# Altium PCB CRD25DA12N-FMC V1.1 (07-2023).PcbDoc (part 2 of 7) (continued)
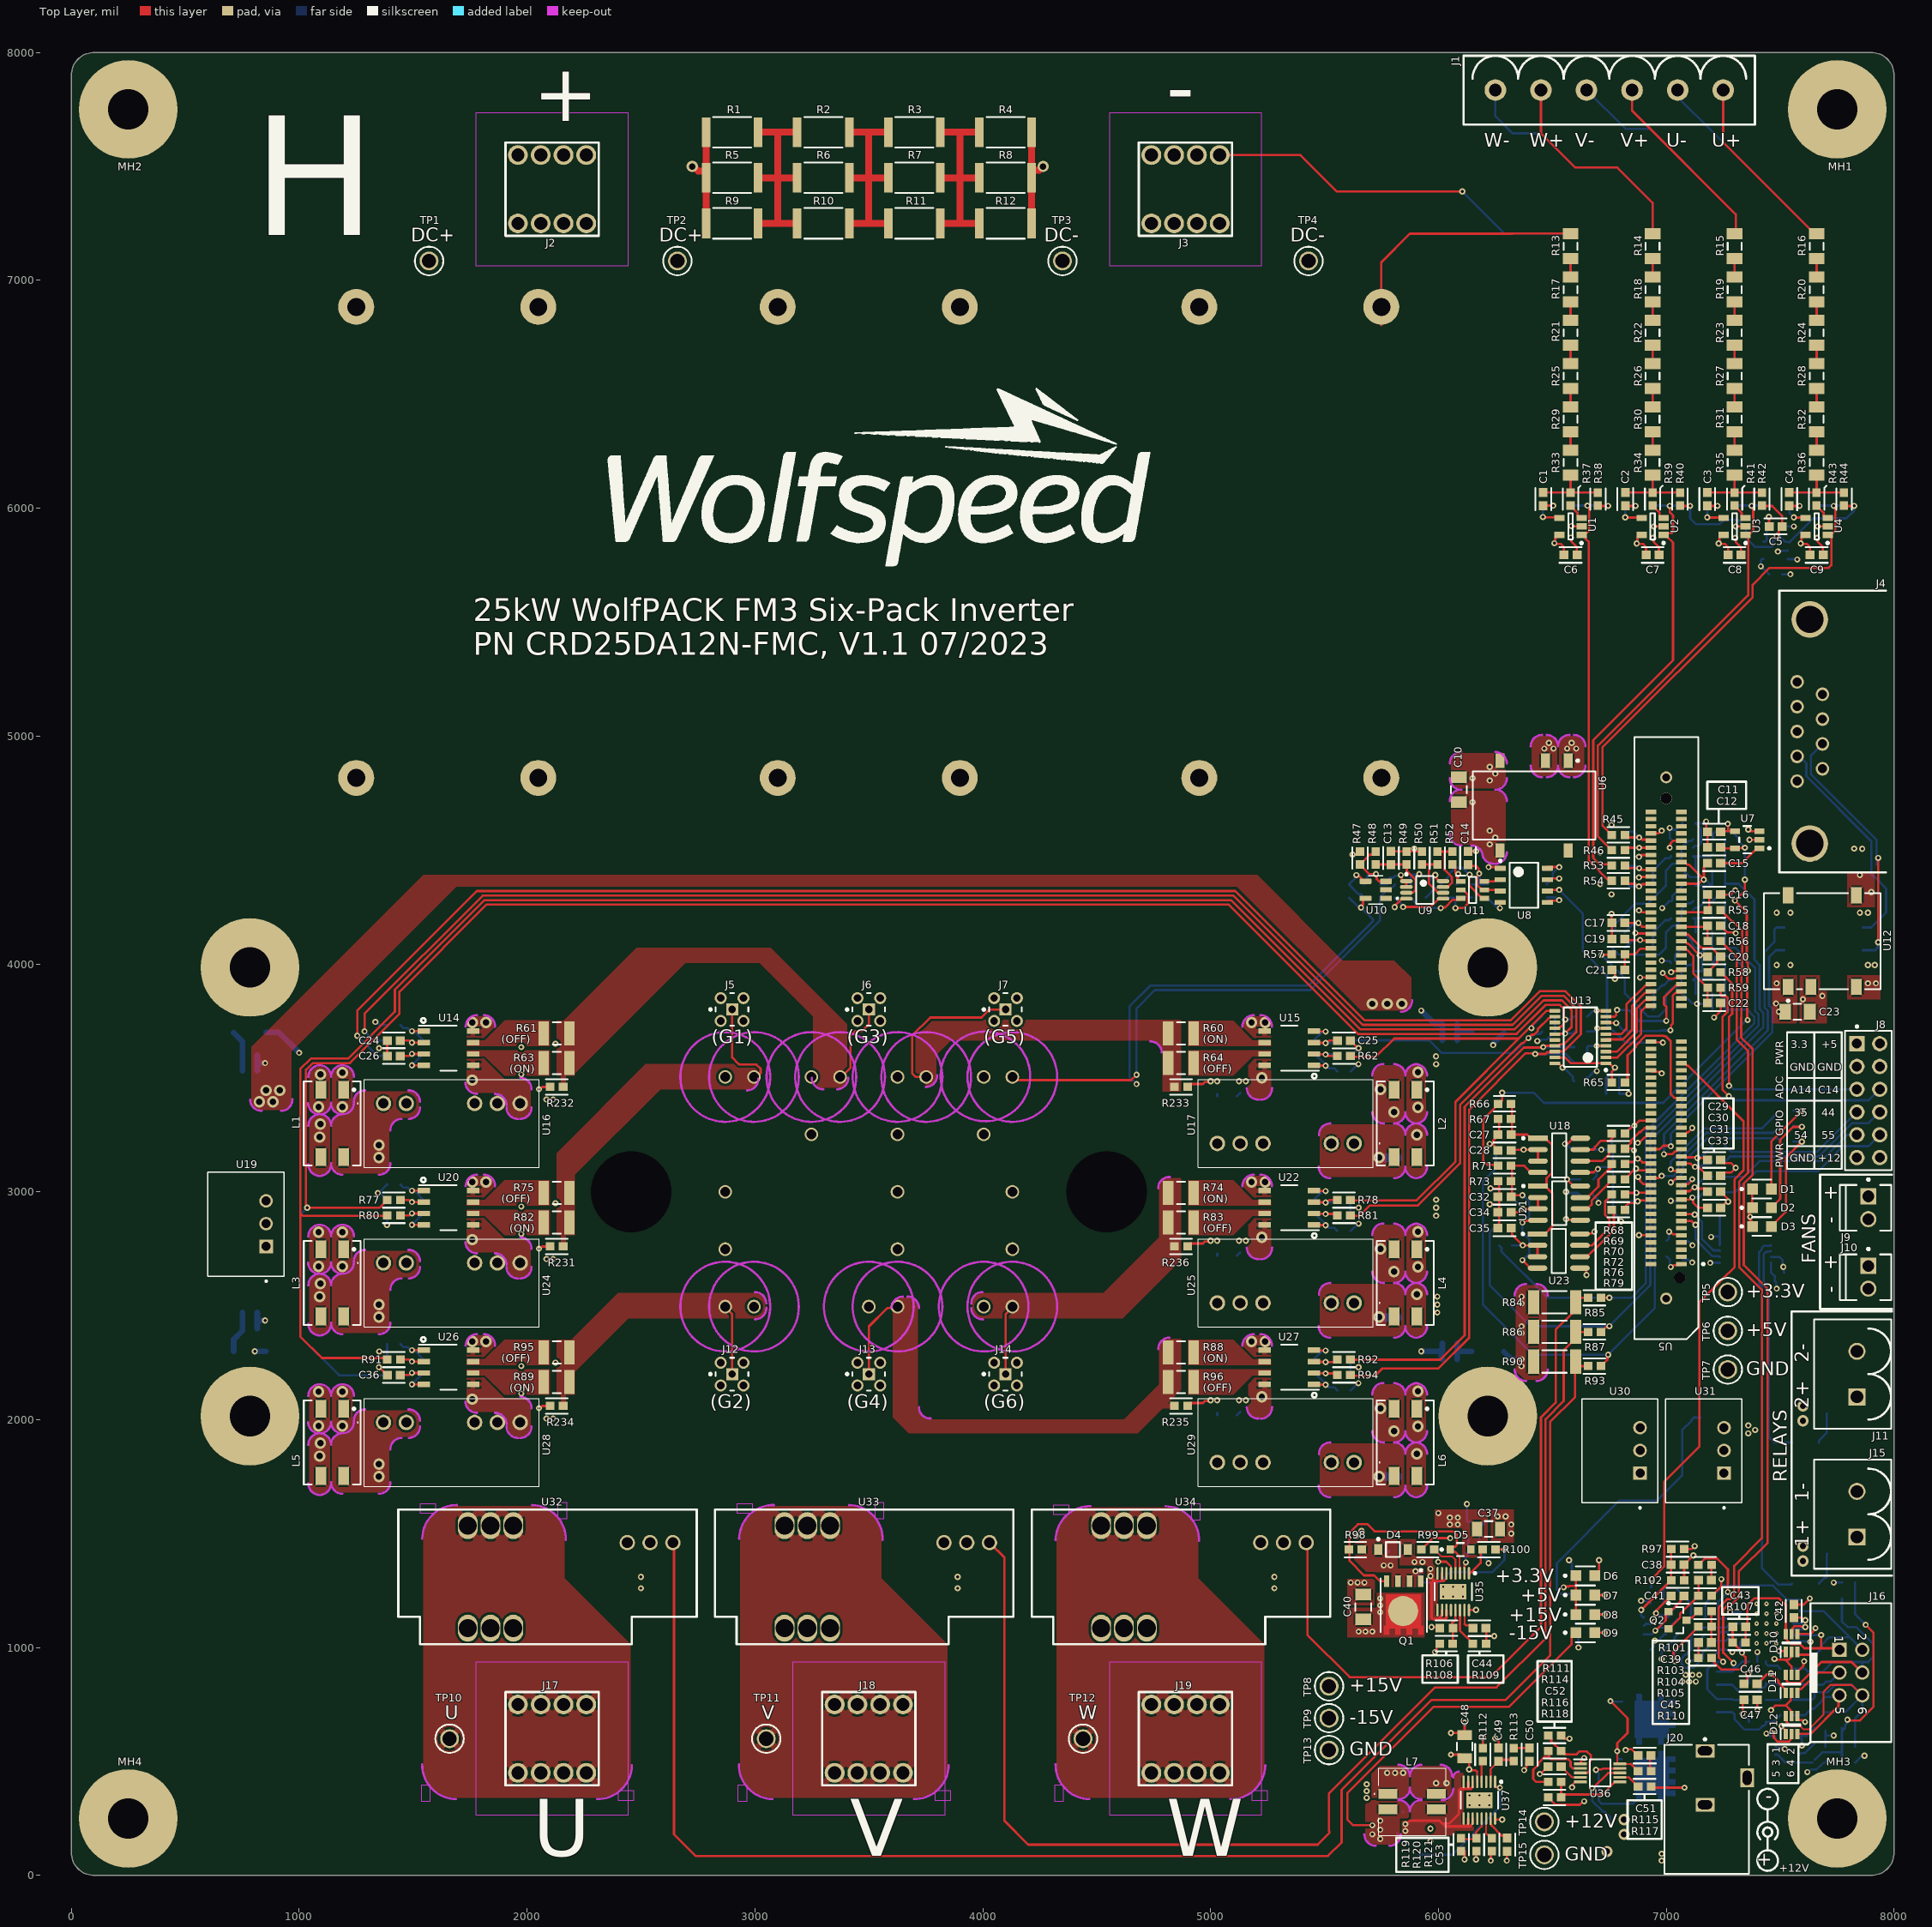
[diagram p0: Top Layer view]
## Part data (continued)
R98 R99 R112 R114 R117 R176 R177 R179 R180 R184 R187: "RES 100K OHM 1% 1/10W 0603", Case Code (Imperial)=0603, Case Code (Metric)=1608, Manufacturer=YAGEO, Max Operating Temperature=155°C, Max Power Dissipation=100mW, Min Operating Temperature=-55°C, Power Rating=0.1W, Resistance=100kΩ, Resistance Tolerance=1%, Resistor Type="Thick Film", Supplier Part Number 1=3697448, Temperature Coefficient=100ppm/°C, Voltage Rating=50V, Working Voltage=75V, Category="Chip SMD Resistors", ComponentLink1Description=https://datasheet.ciiva.com/11808/0900766b80f96399-11808107.pdf?src-supplier=Rs, ComponentLink1URL=https://datasheet.ciiva.com/11808/0900766b80f96399-11808107.pdf?src-supplier=Rs, ComponentLink2Description=https://datasheet.ciiva.com/7983/443971-7983593.pdf?src-supplier=Element14, ComponentLink2URL=https://datasheet.ciiva.com/7983/443971-7983593.pdf?src-supplier=Element14, ComponentLink3Description=https://datasheet.ciiva.com/22747/443971-22747516.pdf?src-supplier=Element14, ComponentLink3URL=https://datasheet.ciiva.com/22747/443971-22747516.pdf?src-supplier=Element14, ComponentLink4Description=https://datasheet.ciiva.com/46440/1868787-46440889.pdf?src-supplier=Element14, ComponentLink4URL=https://datasheet.ciiva.com/46440/1868787-46440889.pdf?src-supplier=Element14, ComponentLink5Description=https://datasheet.ciiva.com/7746/1738695-7746235.pdf?src-supplier=Element14, ComponentLink5URL=https://datasheet.ciiva.com/7746/1738695-7746235.pdf?src-supplier=Element14, ComponentLink6Description=https://datasheet.ciiva.com/7746/1738695-7746234.pdf?src-supplier=Element14, ComponentLink6URL=https://datasheet.ciiva.com/7746/1738695-7746234.pdf?src-supplier=Element14, Construction=Rectangular, Depth=0.8mm, Features="Moisture Resistant", Height=0.45mm, Lead Free="Lead Free", Length=1.6mm, Manufacturer Part Number=RC0603FR-07100KL, Military Standard=Not, Number of Pins=2, Number of Terminations=2, Package=0603, Packaging="Tape and Reel", Pricing 1="5000=0.00150, 50000=0.00140, 200000=0.00140, 625000=0.00130, 2000000=0.00120 (USD)", Reach SVHC Compliant=Yes, RoHS=Yes, RoHS Compliant=Yes, Series=RC, Stock 1=39805000, Supplier 1="Future Electronics", Technology="THICK FILM", Termination=SMD/SMT, TOLERANCE=1%, Voltage Rating (DC)=50V, Width=0.8mm
R100: "RES SMD 165K OHM 1% 1/10W 0603", Case Code (Imperial)=0603, Case Code (Metric)=1608, Manufacturer=PANASONIC, Max Operating Temperature=155°C, Max Power Dissipation=100mW, Min Operating Temperature=-55°C, Package Quantity=1, Power Rating=0.1W, Resistance=165kΩ, Resistance Tolerance=1%, Resistor Type="Thick Film", Supplier Part Number 1=1058436, Temperature Coefficient=100ppm/°C, Voltage Rating=75V, Voltage Rating (DC)=50V, Category="Chip SMD Resistors", ComponentLink1Description=https://datasheet.ciiva.com/7853/aoa0000ce2-7853706.pdf?src-supplier=Element14, ComponentLink1URL=https://datasheet.ciiva.com/7853/aoa0000ce2-7853706.pdf?src-supplier=Element14, ComponentLink2Description=https://datasheet.ciiva.com/22673/1678782-22673385.pdf?src-supplier=Element14, ComponentLink2URL=https://datasheet.ciiva.com/22673/1678782-22673385.pdf?src-supplier=Element14, ComponentLink3Description=https://datasheet.ciiva.com/28531/1694929-28531446.pdf?src-supplier=Element14, ComponentLink3URL=https://datasheet.ciiva.com/28531/1694929-28531446.pdf?src-supplier=Element14, ComponentLink4Description=https://datasheet.ciiva.com/46420/1678782-46420206.pdf?src-supplier=Element14, ComponentLink4URL=https://datasheet.ciiva.com/46420/1678782-46420206.pdf?src-supplier=Element14, ComponentLink5Description=https://datasheet.ciiva.com/16785/70260748-16785381.pdf?src-supplier=Allied+Electronics, ComponentLink5URL=https://datasheet.ciiva.com/16785/70260748-16785381.pdf?src-supplier=Allied+Electronics, ComponentLink6Description=https://datasheet.ciiva.com/15158/getdatasheetpartid-248552-15158986.pdf?src-supplier=Verical, ComponentLink6URL=https://datasheet.ciiva.com/15158/getdatasheetpartid-248552-15158986.pdf?src-supplier=Verical, Construction=Rectangular, Contact Plating=Tin, Depth=0.8mm, Features="Automotive AEC-Q200", Height=0.022inch, Lead Free="Lead Free", Length=1.6mm, Manufacturer Part Number=ERJ-3EKF1653V, Military Standard=Not, Mount="Surface Mount", Number of Terminations=2, Package=0603, Packaging="Tape and Reel", Pricing 1="5000=0.00600 (USD)", Radiation Hardening=No, Reach SVHC Compliant=Yes, RoHS=Yes, RoHS Compliant=Yes, Series=ERJ, Stock 1=1, Supplier 1=Rs, Termination=SMD/SMT, TOLERANCE=1%, Width=0.8mm
R101 R110: "RES 120K OHM 1% 1/10W 0603", Case Code (Imperial)=0603, Case Code (Metric)=1608, Manufacturer=YAGEO, Max Operating Temperature=155°C, Max Power Dissipation=0.1W, Min Operating Temperature=-55°C, Package Quantity=5000, Power Rating=100mW, Resistance=120kΩ, Resistance Tolerance=1%, Resistor Type="Thick Film", Supplier Part Number 1=5577309, Temperature Coefficient=100ppm/°C, Voltage Rating=50V, Working Voltage=75V, Category="Chip SMD Resistors", ComponentLink1Description=https://datasheet.ciiva.com/11808/0900766b80f96399-11808757.pdf?src-supplier=Rs, ComponentLink1URL=https://datasheet.ciiva.com/11808/0900766b80f96399-11808757.pdf?src-supplier=Rs, ComponentLink2Description=https://datasheet.ciiva.com/2454/pyu-r-int-thick-7-2454739.pdf?src-supplier=Digi-Key, ComponentLink2URL=https://datasheet.ciiva.com/2454/pyu-r-int-thick-7-2454739.pdf?src-supplier=Digi-Key, ComponentLink3Description=https://datasheet.ciiva.com/2454/pyu-r-int-thick-7-2454740.pdf?src-supplier=Digi-Key, ComponentLink3URL=https://datasheet.ciiva.com/2454/pyu-r-int-thick-7-2454740.pdf?src-supplier=Digi-Key, ComponentLink4Description=https://datasheet.ciiva.com/2454/pyu-r-int-thick-7-2454738.pdf?src-supplier=Digi-Key, ComponentLink4URL=https://datasheet.ciiva.com/2454/pyu-r-int-thick-7-2454738.pdf?src-supplier=Digi-Key, ComponentLink5Description=https://datasheet.ciiva.com/7746/443971-7746247.pdf?src-supplier=Element14, ComponentLink5URL=https://datasheet.ciiva.com/7746/443971-7746247.pdf?src-supplier=Element14, ComponentLink6Description=https://datasheet.ciiva.com/7746/443971-7746246.pdf?src-supplier=Element14, ComponentLink6URL=https://datasheet.ciiva.com/7746/443971-7746246.pdf?src-supplier=Element14, Depth=0.8mm, Features="Moisture Resistant", Height=0.022inch, Lead Free="Lead Free", Length=0.063inch, Manufacturer Part Number=RC0603FR-07120KL, Number of Pins=2, Number of Terminations=2, Package=0603, Packaging="Tape and Reel", Pricing 1="5000=0.00150, 75000=0.00140, 200000=0.00140, 750000=0.00130, 2000000=0.00120 (USD)", RoHS=Yes, RoHS Compliant=Yes, Series=RC, Stock 1=4140000, Supplier 1="Future Electronics", Technology="THICK FILM", Termination=SMD/SMT, TOLERANCE=1%, Voltage Rating (DC)=50V, Width=0.031inch
R104: "RES 20 OHM 5% 1/10W 0603", Case Code (Imperial)=0603, Case Code (Metric)=1608, Manufacturer=YAGEO, Max Operating Temperature=155°C, Max Power Dissipation=100mW, Min Operating Temperature=-55°C, Package Quantity=1, Power Rating=0.1W, Resistance=20Ω, Resistance Tolerance=5%, Resistor Type="Thick Film", Supplier Part Number 1=4144481, Temperature Coefficient=100ppm/°C, Voltage Rating=75V, Voltage Rating (DC)=50V, Category="Chip SMD Resistors", ComponentLink1Description=https://datasheet.ciiva.com/2453/pyu-r-int-thick-7-2453212.pdf?src-supplier=Digi-Key, ComponentLink1URL=https://datasheet.ciiva.com/2453/pyu-r-int-thick-7-2453212.pdf?src-supplier=Digi-Key, ComponentLink2Description=https://datasheet.ciiva.com/2453/pyu-r-int-thick-7-2453213.pdf?src-supplier=Digi-Key, ComponentLink2URL=https://datasheet.ciiva.com/2453/pyu-r-int-thick-7-2453213.pdf?src-supplier=Digi-Key, ComponentLink3Description=https://datasheet.ciiva.com/2453/pyu-r-int-thick-7-2453211.pdf?src-supplier=Digi-Key, ComponentLink3URL=https://datasheet.ciiva.com/2453/pyu-r-int-thick-7-2453211.pdf?src-supplier=Digi-Key, Construction=Rectangular, Depth=0.8mm, Features="Moisture Resistant", Height=0.022inch, Lead Free="Lead Free", Length=0.063inch, Manufacturer Part Number=RC0603JR-0720RL, Military Standard=Not, Number of Terminations=2, Package=0603, Packaging="Tape and Reel", Pricing 1="5000=0.00110, 75000=0.00100, 250000=0.00100, 750000=0.00090, 2500000=0.00080 (USD)", RoHS=Yes, RoHS Compliant=Yes, Series=RC, Size Code=0603, Stock 1=490000, Supplier 1="Future Electronics", Termination=SMD/SMT, TOLERANCE=5%, Weight=7.1E-05oz, Width=0.031inch
R107 R211: "RES 470K OHM 1% 1/10W 0603", Case Code (Imperial)=0603, Case Code (Metric)=1608, Manufacturer=YAGEO, Max Operating Temperature=155°C, Max Power Dissipation=100mW, Min Operating Temperature=-55°C, Package Quantity=1, Power Rating=0.1W, Resistance=470kΩ, Resistance Tolerance=1%, Resistor Type="Thick Film", Supplier Part Number 1=4599155, Temperature Coefficient=100ppm/°C, Voltage Rating=50V, Category="Chip SMD Resistors", ComponentLink1Description=https://datasheet.ciiva.com/46440/1868787-46440906.pdf?src-supplier=Element14, ComponentLink1URL=https://datasheet.ciiva.com/46440/1868787-46440906.pdf?src-supplier=Element14, ComponentLink2Description=https://datasheet.ciiva.com/2454/pyu-r-int-thick-7-2454121.pdf?src-supplier=Digi-Key, ComponentLink2URL=https://datasheet.ciiva.com/2454/pyu-r-int-thick-7-2454121.pdf?src-supplier=Digi-Key, ComponentLink3Description=https://datasheet.ciiva.com/2454/pyu-r-int-thick-7-2454122.pdf?src-supplier=Digi-Key, ComponentLink3URL=https://datasheet.ciiva.com/2454/pyu-r-int-thick-7-2454122.pdf?src-supplier=Digi-Key, ComponentLink4Description=https://datasheet.ciiva.com/2454/pyu-r-int-thick-7-2454120.pdf?src-supplier=Digi-Key, ComponentLink4URL=https://datasheet.ciiva.com/2454/pyu-r-int-thick-7-2454120.pdf?src-supplier=Digi-Key, ComponentLink5Description=https://datasheet.ciiva.com/7746/443971-7746358.pdf?src-supplier=Element14, ComponentLink5URL=https://datasheet.ciiva.com/7746/443971-7746358.pdf?src-supplier=Element14, ComponentLink6Description=https://datasheet.ciiva.com/7746/443971-7746357.pdf?src-supplier=Element14, ComponentLink6URL=https://datasheet.ciiva.com/7746/443971-7746357.pdf?src-supplier=Element14, Construction=Rectangular, Depth=0.8mm, Features="Moisture Resistant", Height=0.022inch, Lead Free="Lead Free", Length=0.063inch, Manufacturer Part Number=RC0603FR-07470KL, Military Standard=Not, Number of Pins=2, Number of Terminations=2, Package=0603, Packaging="Tape and Reel", Pricing 1="5000=0.00150, 50000=0.00140, 200000=0.00140, 625000=0.00130, 2000000=0.00120 (USD)", Reach SVHC Compliant=Yes, RoHS=Yes, RoHS Compliant=Yes, Series=RC, Size Code=0603, Stock 1=8340000, Supplier 1="Future Electronics", Termination=SMD/SMT, TOLERANCE=1%, Voltage Rating (DC)=50V, Width=0.031inch
R108 R119: "RES 56K OHM 1% 1/10W 0603", Case Code (Imperial)=0603, Case Code (Metric)=1608, Manufacturer=YAGEO, Max Operating Temperature=155°C, Max Power Dissipation=100mW, Min Operating Temperature=-55°C, Package Quantity=1, Power Rating=0.1W, Resistance=56kΩ, Resistance Tolerance=1%, Resistor Type="Thick Film", Supplier Part Number 1=7874498, Temperature Coefficient=100ppm/°C, Voltage Rating=75V, Voltage Rating (DC)=50V, Category="Chip SMD Resistors", ComponentLink1Description=https://datasheet.ciiva.com/2508/pyu-r-int-thick-7-2508519.pdf?src-supplier=Digi-Key, ComponentLink1URL=https://datasheet.ciiva.com/2508/pyu-r-int-thick-7-2508519.pdf?src-supplier=Digi-Key, ComponentLink2Description=https://datasheet.ciiva.com/2508/pyu-r-int-thick-7-2508520.pdf?src-supplier=Digi-Key, ComponentLink2URL=https://datasheet.ciiva.com/2508/pyu-r-int-thick-7-2508520.pdf?src-supplier=Digi-Key, ComponentLink3Description=https://datasheet.ciiva.com/2508/pyu-r-int-thick-7-2508518.pdf?src-supplier=Digi-Key, ComponentLink3URL=https://datasheet.ciiva.com/2508/pyu-r-int-thick-7-2508518.pdf?src-supplier=Digi-Key, ComponentLink4Description=https://datasheet.ciiva.com/7746/443971-7746377.pdf?src-supplier=Element14, ComponentLink4URL=https://datasheet.ciiva.com/7746/443971-7746377.pdf?src-supplier=Element14, ComponentLink5Description=https://datasheet.ciiva.com/7746/443971-7746376.pdf?src-supplier=Element14, ComponentLink5URL=https://datasheet.ciiva.com/7746/443971-7746376.pdf?src-supplier=Element14, Construction=Rectangular, Depth=0.8mm, Features="Moisture Resistant", Height=0.45mm, Lead Free="Lead Free", Length=1.6mm, Manufacturer Part Number=RC0603FR-0756KL, Military Standard=Not, Number of Pins=2, Number of Terminations=2, Package=0603, Packaging="Tape and Reel", Pricing 1="5000=0.00150, 50000=0.00140, 200000=0.00140, 625000=0.00130, 2000000=0.00120 (USD)", RoHS=Yes, RoHS Compliant=Yes, Series=RC, Size Code=0603, Stock 1=11945000, Supplier 1="Future Electronics", Termination=SMD/SMT, TOLERANCE=1%, Weight=7.1E-05oz, Width=0.8mm
R109 R121: "RES 45.3K OHM 1% 1/10W 0603", Case Code (Imperial)=0603, Case Code (Metric)=1608, Manufacturer=STACKPOLE, Max Operating Temperature=155°C, Max Power Dissipation=0.1W, Min Operating Temperature=-55°C, Resistance=45.3kΩ, Resistor Type="Thick Film", Temperature Coefficient=100ppm/°C, TOLERANCE=1%, Contact Plating=Tin, Features="Automotive AEC-Q200", Height=0.022inch, Lead Free="Contains Lead", Length=0.061inch, Manufacturer Part Number=RMCF0603FT45K3, Mount="Surface Mount", Number of Terminations=2, Package=0603, Packaging="Tape and Reel", Radiation Hardening=No, RoHS Compliant=Yes, Series=RMCF, Width=0.031inch
R111: "RES SMD 200K OHM 1% 1/10W 0603", Case Code (Imperial)=0603, Case Code (Metric)=1608, Manufacturer=PANASONIC, Max Operating Temperature=155°C, Max Power Dissipation=0.1W, Min Operating Temperature=-55°C, Package Quantity=1, Power Rating=100mW, Resistance=200kΩ, Resistance Tolerance=1%, Resistor Type="Thick Film", Supplier Part Number 1=25AC9147, Temperature Coefficient=100ppm/°C, Voltage Rating=75V, Voltage Rating (DC)=50V, Category="Chip SMD Resistors", ComponentLink1Description=https://datasheet.ciiva.com/46387/426256-46387278.pdf?src-supplier=Element14, ComponentLink1URL=https://datasheet.ciiva.com/46387/426256-46387278.pdf?src-supplier=Element14, ComponentLink2Description=https://datasheet.ciiva.com/5868/426256-5868137.pdf?src-supplier=Farnell, ComponentLink2URL=https://datasheet.ciiva.com/5868/426256-5868137.pdf?src-supplier=Farnell, ComponentLink3Description=https://datasheet.ciiva.com/46374/426256-46374238.pdf?src-supplier=Element14, ComponentLink3URL=https://datasheet.ciiva.com/46374/426256-46374238.pdf?src-supplier=Element14, ComponentLink4Description=https://datasheet.ciiva.com/24068/aoa0000ce2-24068783.pdf?src-supplier=Mouser, ComponentLink4URL=https://datasheet.ciiva.com/24068/aoa0000ce2-24068783.pdf?src-supplier=Mouser, ComponentLink5Description=https://datasheet.ciiva.com/16785/70260748-16785079.pdf?src-supplier=Allied+Electronics, ComponentLink5URL=https://datasheet.ciiva.com/16785/70260748-16785079.pdf?src-supplier=Allied+Electronics, ComponentLink6Description=https://datasheet.ciiva.com/16758/70260748-16758091.pdf?src-supplier=Allied+Electronics, ComponentLink6URL=https://datasheet.ciiva.com/16758/70260748-16758091.pdf?src-supplier=Allied+Electronics, ComponentLink7Description=https://datasheet.ciiva.com/16199/aoa0000ce2-16199899.pdf?src-supplier=Future+Electronics, ComponentLink7URL=https://datasheet.ciiva.com/16199/aoa0000ce2-16199899.pdf?src-supplier=Future+Electronics, ComponentLink8Description=https://datasheet.ciiva.com/30113/aoa0000ce2-30113838.pdf?src-supplier=Onlinecomponents.com, ComponentLink8URL=https://datasheet.ciiva.com/30113/aoa0000ce2-30113838.pdf?src-supplier=Onlinecomponents.com, Construction=Rectangular, Contact Plating=Tin, Depth=0.8mm, Features="Automotive AEC-Q200", Height=0.022inch, Lead Free="Lead Free", Length=1.6mm, Manufacturer Part Number=ERJ-3EKF2003V, Military Standard=Not, Mount="Surface Mount", Number of Terminations=2, Package=0603, Packaging="Cut Tape", Pricing 1="5000=0.00500, 10000=0.00500 (USD)", Radiation Hardening=No, Reach SVHC Compliant=Yes, RoHS=Yes, RoHS Compliant=Yes, Series=ERJ, Stock 1=195000, Supplier 1=Newark, Technology="THICK FILM", Termination=SMD/SMT, TOLERANCE=1%, Width=0.8mm, Working Voltage=75V
R115: library part CMP-2000-00337-2, "RES SMD 22K OHM 1% 1/10W 0603", Case Code (Imperial)=0603, Case Code (Metric)=1608, Manufacturer=PANASONIC, Max Operating Temperature="155 degC", Min Operating Temperature="-55 degC", Package Quantity=200, Power Rating=0.1W, Resistance=22kΩ, TOLERANCE=1%, Voltage Rating="50 V", ComponentLink1Description="Manufacturer URL", ComponentLink1URL=http://www.panasonic.com/, ComponentLink2Description=Datasheet, ComponentLink2URL=http://industrial.panasonic.com/cdbs/www-data/pdf/RDA0000/AOA0000C86.pdf, DatasheetVersion=Apr-15, Height="0.45 mm", Length="1.6 mm", Manufacturer Part Number=ERJ-3EKF2202V, Package=0603, PackageDescription="2-Pin Surface Mount Device, Body 1.6 x 0.85 mm", PackageReference=0603, Packaging="Tape and Reel", RoHSCompliant=true, Width="0.8 mm"
R116 R118: "RES 2.7M OHM 5% 1/10W 0603", Case Code (Imperial)=0603, Case Code (Metric)=1608, Manufacturer=YAGEO, Max Operating Temperature=155°C, Max Power Dissipation=100mW, Min Operating Temperature=-55°C, Package Quantity=1, Power Rating=0.1W, Resistance=2.7MΩ, Resistor Type="Thick Film", Temperature Coefficient=100ppm/°C, TOLERANCE=5%, Voltage Rating=75V, Voltage Rating (DC)=50V, Category="Chip SMD Resistors", ComponentLink1Description=https://datasheet.ciiva.com/2453/pyu-r-int-thick-7-2453209.pdf?src-supplier=Digi-Key, ComponentLink1URL=https://datasheet.ciiva.com/2453/pyu-r-int-thick-7-2453209.pdf?src-supplier=Digi-Key, ComponentLink2Description=https://datasheet.ciiva.com/2453/pyu-r-int-thick-7-2453210.pdf?src-supplier=Digi-Key, ComponentLink2URL=https://datasheet.ciiva.com/2453/pyu-r-int-thick-7-2453210.pdf?src-supplier=Digi-Key, ComponentLink3Description=https://datasheet.ciiva.com/2453/pyu-r-int-thick-7-2453208.pdf?src-supplier=Digi-Key, ComponentLink3URL=https://datasheet.ciiva.com/2453/pyu-r-int-thick-7-2453208.pdf?src-supplier=Digi-Key, Construction=Rectangular, Contact Plating=Tin,Matte, Depth=0.8mm, Features="Moisture Resistant", Height=0.022inch, Lead Free="Lead Free", Length=1.6mm, Manufacturer Part Number=RC0603JR-072M7L, Military Standard=Not, Number of Terminations=2, Package=0603, Packaging="Tape and Reel", Pricing 1="1=0.04340, 10=0.00650, 100=0.00220, 500=0.00210, 1000=0.00140, 3000=0.00110, 6000=0.00090 (USD)", Radiation Hardening=No, RoHS=Yes, RoHS Compliant=Yes, Series=RC, Size Code=0603, Stock 1=12804, Supplier 1="Arrow Electronics", Supplier Part Number 1=RC0603JR-072M7L, Termination=SMD/SMT, Weight=7.1E-05oz, Width=0.8mm
R154 R166 R172: "RES 1.33K OHM 1% 1/10W 0603", Case Code (Imperial)=0603, Case Code (Metric)=1608, Manufacturer=STACKPOLE, Max Operating Temperature=155°C, Max Power Dissipation=100mW, Min Operating Temperature=-55°C, Power Rating=0.1W, Resistance=1.33kΩ, Resistor Type="Thick Film", Temperature Coefficient=100ppm/°C, TOLERANCE=1%, Category="Chip SMD Resistors", ComponentLink1Description=https://www.seielect.com/Catalog/SEI-RMCF_RMCP.pdf?src-supplier=Digi-Key, ComponentLink1URL=https://www.seielect.com/Catalog/SEI-RMCF_RMCP.pdf?src-supplier=Digi-Key, ComponentLink2Description=https://www.seielect.com/catalog/SEI-Packaging.pdf?src-supplier=Digi-Key, ComponentLink2URL=https://www.seielect.com/catalog/SEI-Packaging.pdf?src-supplier=Digi-Key, ComponentLink3Description=https://www.seielect.com/catalog/SEI-RMCF_RMCP.pdf?src-supplier=Avnet, ComponentLink3URL=https://www.seielect.com/catalog/SEI-RMCF_RMCP.pdf?src-supplier=Avnet, Contact Plating=Tin,Matte, Features="Automotive AEC-Q200", Height=0.022inch, Lead Free="Lead Free", Length=0.061inch, Manufacturer Part Number=RMCF0603FT1K33, Mount="Surface Mount", Number of Terminations=2, Package=0603, Packaging="Tape and Reel", Pricing 1="5000=0.00280, 10000=0.00276, 20000=0.00272, 30000=0.00268, 40000=0.00264, 50000=0.00260, 500000=0.00256 (USD)", Radiation Hardening=No, RoHS=Yes, RoHS Compliant=Yes, Series=RMCF, Stock 1=225000, Supplier 1=Avnet, Supplier Part Number 1=RMCF0603FT1K33, Width=0.031inch
R155 R167 R173: "RES 7.15K OHM 1% 1/10W 0603", Case Code (Imperial)=0603, Case Code (Metric)=1608, Manufacturer=STACKPOLE, Max Operating Temperature=155°C, Max Power Dissipation=100mW, Min Operating Temperature=-55°C, Power Rating=0.1W, Resistance=7.15kΩ, Resistor Type="Thick Film", Temperature Coefficient=100ppm/°C, TOLERANCE=1%, Category="Chip SMD Resistors", ComponentLink1Description=http://components.arrow.com/part/dataview/46949454S9067612N1174?src-supplier=Arrow+Electronics, ComponentLink1URL=http://components.arrow.com/part/dataview/46949454S9067612N1174?src-supplier=Arrow+Electronics, ComponentLink2Description=https://www.seielect.com/catalog/SEI-RMCF_RMCP.pdf?src-supplier=Avnet, ComponentLink2URL=https://www.seielect.com/catalog/SEI-RMCF_RMCP.pdf?src-supplier=Avnet, ComponentLink3Description=https://www.seielect.com/catalog/SEI-Packaging.pdf?src-supplier=Digi-Key, ComponentLink3URL=https://www.seielect.com/catalog/SEI-Packaging.pdf?src-supplier=Digi-Key, ComponentLink4Description=http://www.seielect.com/Catalog/SEI-RMC.pdf?src-supplier=Future+Electronics, ComponentLink4URL=http://www.seielect.com/Catalog/SEI-RMC.pdf?src-supplier=Future+Electronics, Contact Plating=Tin,Matte, Features="Automotive AEC-Q200", Height=0.022inch, Lead Free="Lead Free", Length=0.061inch, Manufacturer Part Number=RMCF0603FT7K15, Mount="Surface Mount", Number of Terminations=2, Package=0603, Packaging="Tape and Reel", Pricing 1="5000=0.00280, 10000=0.00276, 20000=0.00272, 30000=0.00268, 40000=0.00264, 50000=0.00260, 500000=0.00256 (USD)", Radiation Hardening=No, RoHS=Yes, RoHS Compliant=Yes, Series=RMCF, Size Code=0603, Stock 1=135000, Supplier 1=Avnet, Supplier Part Number 1=RMCF0603FT7K15, Width=0.031inch
R156: "RES SMD 120 OHM 5% 1/10W 0603", Case Code (Imperial)=0603, Case Code (Metric)=1608, Manufacturer=YAGEO, Max Operating Temperature=155°C, Max Power Dissipation=0.1W, Min Operating Temperature=-55°C, Package Quantity=1, Power Rating=100mW, Resistance=120Ω, Resistance Tolerance=5%, Resistor Type="Thick Film", Supplier Part Number 1=2424206, Temperature Coefficient=100ppm/°C, Voltage Rating=50V, Construction=Rectangular, Depth=0.8mm, Features="Moisture Resistant", Height=0.022inch, Lead Free="Lead Free", Length=1.6mm, Manufacturer Part Number=RC0603JR-07120RL, Military Standard=Not, Number of Pins=2, Number of Terminations=2, Package=0603, Packaging="Tape and Reel", REACH SVHC="No SVHC", RoHS Compliant=Yes, Series=RC, Size Code=0603, Supplier 1=Rs, Termination=SMD/SMT, TOLERANCE=5%, Voltage Rating (DC)=50V, Width=0.8mm
R158: "RES SMD 97.6K OHM 1% 1/10W 0603", Case Code (Imperial)=0603, Case Code (Metric)=1608, Manufacturer=PANASONIC, Max Operating Temperature=155°C, Max Power Dissipation=0.1W, Min Operating Temperature=-55°C, Package Quantity=1, Power Rating=100mW, Resistance=97.6kΩ, Resistance Tolerance=1%, Resistor Type="Thick Film", Supplier Part Number 1=27AC5274, Temperature Coefficient=100ppm/°C, Voltage Rating=75V, Voltage Rating (DC)=50V, Category="Chip SMD Resistors", ComponentLink1Description=https://datasheet.ciiva.com/7937/1678782-7937451.pdf?src-supplier=Element14, ComponentLink1URL=https://datasheet.ciiva.com/7937/1678782-7937451.pdf?src-supplier=Element14, ComponentLink2Description=https://datasheet.ciiva.com/46420/1678782-46420270.pdf?src-supplier=Element14, ComponentLink2URL=https://datasheet.ciiva.com/46420/1678782-46420270.pdf?src-supplier=Element14, ComponentLink3Description=https://datasheet.ciiva.com/24023/aoa0000ce2-24023438.pdf?src-supplier=Mouser, ComponentLink3URL=https://datasheet.ciiva.com/24023/aoa0000ce2-24023438.pdf?src-supplier=Mouser, ComponentLink4Description=https://datasheet.ciiva.com/16770/70260748-16770055.pdf?src-supplier=Allied+Electronics, ComponentLink4URL=https://datasheet.ciiva.com/16770/70260748-16770055.pdf?src-supplier=Allied+Electronics, ComponentLink5Description=https://datasheet.ciiva.com/16762/70260748-16762984.pdf?src-supplier=Allied+Electronics, ComponentLink5URL=https://datasheet.ciiva.com/16762/70260748-16762984.pdf?src-supplier=Allied+Electronics, ComponentLink6Description=https://datasheet.ciiva.com/9186/aoa0000ce2-9186837.pdf?src-supplier=Avnet, ComponentLink6URL=https://datasheet.ciiva.com/9186/aoa0000ce2-9186837.pdf?src-supplier=Avnet, ComponentLink7Description=https://datasheet.ciiva.com/9186/aoa0000ce2-9186841.pdf?src-supplier=Avnet, ComponentLink7URL=https://datasheet.ciiva.com/9186/aoa0000ce2-9186841.pdf?src-supplier=Avnet, Construction=Rectangular, Contact Plating=Tin, Depth=0.8mm, Features="Automotive AEC-Q200", Height=0.45mm, Length=1.6mm, Manufacturer Part Number=ERJ-3EKF9762V, Military Standard=Not, Mount="Surface Mount", Number of Terminations=2, Package=0603, Packaging="Tape and Reel", Pricing 1="5000=0.01600, 10000=0.01600, 20000=0.01600, 30000=0.01600, 50000=0.01400 (USD)", Radiation Hardening=No, Reach SVHC Compliant=Yes, RoHS=Yes, RoHS Compliant=Yes, Series=ERJ, Stock 1=50000, Supplier 1=Newark, Technology="THICK FILM", Termination=SMD/SMT, TOLERANCE=1%, Width=0.8mm
R159: "RES 249K OHM 1% 1/10W 0603", Case Code (Imperial)=0603, Case Code (Metric)=1608, Manufacturer=STACKPOLE, Max Operating Temperature=155°C, Max Power Dissipation=0.1W, Min Operating Temperature=-55°C, Resistance=249kΩ, Resistor Type="Thick Film", Temperature Coefficient=100ppm/°C, TOLERANCE=1%, Category="Chip SMD Resistors", ComponentLink1Description=https://www.seielect.com/catalog/SEI-Packaging.pdf?src-supplier=Digi-Key, ComponentLink1URL=https://www.seielect.com/catalog/SEI-Packaging.pdf?src-supplier=Digi-Key, ComponentLink2Description=https://www.seielect.com/Catalog/SEI-RMCF_RMCP.pdf?src-supplier=Digi-Key, ComponentLink2URL=https://www.seielect.com/Catalog/SEI-RMCF_RMCP.pdf?src-supplier=Digi-Key, ComponentLink3Description=https://www.seielect.com/catalog/SEI-RMCF_RMCP.pdf?src-supplier=Avnet, ComponentLink3URL=https://www.seielect.com/catalog/SEI-RMCF_RMCP.pdf?src-supplier=Avnet, Contact Plating=Tin,Matte, Features="Automotive AEC-Q200", Height=0.022inch, Lead Free="Lead Free", Length=0.061inch, Manufacturer Part Number=RMCF0603FT249K, Mount="Surface Mount", Number of Terminations=2, Package=0603, Packaging="Tape and Reel", Pricing 1="5000=0.00280, 10000=0.00276, 20000=0.00272, 30000=0.00268, 40000=0.00264, 50000=0.00260, 500000=0.00256 (USD)", Radiation Hardening=No, RoHS=Yes, RoHS Compliant=Yes, Series=RMCF, Stock 1=30000, Supplier 1=Avnet, Supplier Part Number 1=RMCF0603FT249K, Width=0.031inch
R161: "RES 330 OHM 1% 1/10W 0603", Case Code (Imperial)=0603, Case Code (Metric)=1608, Manufacturer=YAGEO, Max Operating Temperature=155°C, Min Operating Temperature=-55°C, Power Rating=0.1W, Resistance=330Ω, Resistor Type="Thick Film", Supplier Part Number 1=4067719, Temperature Coefficient=100ppm/°C, TOLERANCE=1%, Voltage Rating=50V, Category="Chip SMD Resistors", ComponentLink1Description=https://datasheet.ciiva.com/12561/rc0603-272842-12561430.pdf?src-supplier=Mouser, ComponentLink1URL=https://datasheet.ciiva.com/12561/rc0603-272842-12561430.pdf?src-supplier=Mouser, Construction=Rectangular, Depth=0.8mm, Height=0.45mm, Length=1.6mm, Manufacturer Part Number=RC0603FR-13330RL, Military Standard=Not, Package=0603, Packaging="Tape and Reel", Pricing 1="20000=0.00130, 80000=0.00120, 400000=0.00120, 800000=0.00110, 2500000=0.00110 (USD)", RoHS=Yes, RoHS Compliant=Yes, Series=RC, Stock 1=560000, Supplier 1="Future Electronics", Termination=SMD/SMT, Width=0.8mm
R162: "RES SMD 20K OHM 1% 1/10W 0603", Case Code (Imperial)=0603, Case Code (Metric)=1608, Manufacturer="VISHAY DALE", Max Operating Temperature=155°C, Max Power Dissipation=100mW, Min Operating Temperature=-55°C, Package Quantity=5000, Power Rating=0.1W, Resistance=20kΩ, Resistance Tolerance=1%, Resistor Type="Thick Film", Temperature Coefficient=100ppm/°C, Voltage Rating=75V, Category="Chip SMD Resistors", ComponentLink1Description=https://datasheet.ciiva.com/3883/dcrcw-3883254.pdf?src-supplier=Arrow+Electronics, ComponentLink1URL=https://datasheet.ciiva.com/3883/dcrcw-3883254.pdf?src-supplier=Arrow+Electronics, ComponentLink2Description=https://datasheet.ciiva.com/26933/getdatasheetpartid-28850-26933811.pdf?src-supplier=Verical, ComponentLink2URL=https://datasheet.ciiva.com/26933/getdatasheetpartid-28850-26933811.pdf?src-supplier=Verical, ComponentLink3Description=https://datasheet.ciiva.com/9033/dcrcw-9033436.pdf?src-supplier=Avnet, ComponentLink3URL=https://datasheet.ciiva.com/9033/dcrcw-9033436.pdf?src-supplier=Avnet, ComponentLink4Description=https://datasheet.ciiva.com/2565/dcrcw-2565123.pdf?src-supplier=Digi-Key, ComponentLink4URL=https://datasheet.ciiva.com/2565/dcrcw-2565123.pdf?src-supplier=Digi-Key, Construction=Rectangular, Contact Plating=Tin,Lead, Depth=0.85mm, Features="Automotive AEC-Q200", Height=0.02inch, Lead Free="Contains Lead", Length=1.55mm, Manufacturer Part Number=CRCW060320K0FKTA, Military Standard=Not, Number of Pins=2, Number of Terminations=2, Package=0603, Packaging="Tape and Reel", Power Dissipation=100mW, Pricing 1="1=0.14090 (USD)", Radiation Hardening=No, RoHS=No, RoHS Compliant=No, Series=CRCW, Stock 1=8, Supplier 1="Arrow Electronics", Supplier Part Number 1=CRCW060320K0FKTA, Termination=SMD/SMT, TOLERANCE=1%, Voltage Rating (DC)=75V, Weight=7.1E-05oz, Width=0.033inch
R164 R169 R174: "RES SMD 4.02KOHM 0.1% 1/10W 0603", Case Code (Imperial)=0603, Case Code (Metric)=1608, Manufacturer=PANASONIC, Manufacturer Part Number=ERA-3AEB4021V, Max Operating Temperature=155°C, Max Power Dissipation=100mW, Min Operating Temperature=-55°C, Package Quantity=1, Power Rating=0.1W, Resistance=4.02kΩ, Resistance Tolerance=0.1%, Resistor Type="Thin Film", Supplier Part Number 1=7087616, Temperature Coefficient=25ppm/°C, Voltage Rating=75V, Category="Chip SMD Resistors", ComponentLink1Description=https://datasheet.ciiva.com/29183/452377-da-01-en-widerstand-0603-era-29183994.pdf?src-supplier=Conrad, ComponentLink1URL=https://datasheet.ciiva.com/29183/452377-da-01-en-widerstand-0603-era-29183994.pdf?src-supplier=Conrad, ComponentLink2Description=https://datasheet.ciiva.com/5968/485442-5968885.pdf?src-supplier=Farnell, ComponentLink2URL=https://datasheet.ciiva.com/5968/485442-5968885.pdf?src-supplier=Farnell, ComponentLink3Description=https://datasheet.ciiva.com/5968/485442-5968886.pdf?src-supplier=Farnell, ComponentLink3URL=https://datasheet.ciiva.com/5968/485442-5968886.pdf?src-supplier=Farnell, ComponentLink4Description=https://datasheet.ciiva.com/43457/485442-43457053.pdf?src-supplier=Farnell, ComponentLink4URL=https://datasheet.ciiva.com/43457/485442-43457053.pdf?src-supplier=Farnell, ComponentLink5Description=https://datasheet.ciiva.com/46388/485442-46388217.pdf?src-supplier=Element14, ComponentLink5URL=https://datasheet.ciiva.com/46388/485442-46388217.pdf?src-supplier=Element14, Construction=Rectangular, Contact Plating=Tin, Depth=0.8mm, Features="Automotive AEC-Q200", Height=0.45mm, Lead Free="Lead Free", Length=1.6mm, Military Standard=Not, Mount="Surface Mount", Number of Pins=2, Number of Terminations=2, Package=0603, Packaging="Tape and Reel", Radiation Hardening=No, Reach SVHC Compliant=Yes, RoHS=Yes, RoHS Compliant=Yes, Series=ERA-3A, Stock 1=890, Supplier 1=Rs, Technology="METAL FILM", Termination=SMD/SMT, TOLERANCE=0.1%, Voltage Rating (DC)=75V, Width=0.8mm
R165 R170 R175: "RES 7.87K OHM 1% 1/10W 0603", Case Code (Imperial)=0603, Case Code (Metric)=1608, Manufacturer=YAGEO, Max Operating Temperature=155°C, Max Power Dissipation=0.1W, Min Operating Temperature=-55°C, Package Quantity=1, Power Rating=100mW, Resistance=7.87kΩ, Resistor Type="Thick Film", Supplier Part Number 1=49AK2736, Temperature Coefficient=100ppm/°C, TOLERANCE=1%, Voltage Rating=50V, Category="Chip SMD Resistors", ComponentLink1Description=https://datasheet.ciiva.com/2553/pyu-r-int-thick-7-2553552.pdf?src-supplier=Digi-Key, ComponentLink1URL=https://datasheet.ciiva.com/2553/pyu-r-int-thick-7-2553552.pdf?src-supplier=Digi-Key, ComponentLink2Description=https://datasheet.ciiva.com/2553/pyu-r-int-thick-7-2553553.pdf?src-supplier=Digi-Key, ComponentLink2URL=https://datasheet.ciiva.com/2553/pyu-r-int-thick-7-2553553.pdf?src-supplier=Digi-Key, ComponentLink3Description=https://datasheet.ciiva.com/2553/pyu-r-int-thick-7-2553551.pdf?src-supplier=Digi-Key, ComponentLink3URL=https://datasheet.ciiva.com/2553/pyu-r-int-thick-7-2553551.pdf?src-supplier=Digi-Key, Construction=Rectangular, Depth=0.8mm, Features="Moisture Resistant", Height=0.022inch, Lead Free="Lead Free", Length=1.6mm, Manufacturer Part Number=RC0603FR-077K87L, Military Standard=Not, Number of Terminations=2, Package=0603, Packaging="Tape and Reel", Pricing 1="1=0.10000, 25=0.02000, 50=0.01500, 100=0.00900 (USD)", RoHS=Yes, RoHS Compliant=Yes, Series=RC, Size Code=0603, Stock 1=12340, Supplier 1=Newark, Termination=SMD/SMT, Voltage Rating (DC)=50V, Width=0.031inch
R178 R183 R185 R188 R200 R201 R202 R203: "RES SMD 1K OHM 5% 1/8W 0805", Case Code (Imperial)=0805, Case Code (Metric)=2012, Manufacturer="VISHAY DALE", Max Operating Temperature=155°C, Max Power Dissipation=125mW, Min Operating Temperature=-55°C, Package Quantity=5000, Power Rating=0.13W, Resistance=1kΩ, Resistor Type="Thick Film", Temperature Coefficient=200ppm/°C, TOLERANCE=5%, Voltage Rating=150V, Category="Chip SMD Resistors", ComponentLink1Description=https://datasheet.ciiva.com/2565/dcrcw-2565721.pdf?src-supplier=Digi-Key, ComponentLink1URL=https://datasheet.ciiva.com/2565/dcrcw-2565721.pdf?src-supplier=Digi-Key, Construction=Rectangular, Contact Plating=Tin,Lead, Depth=1.25mm, Features="Automotive AEC-Q200", Height=0.02inch, Lead Free="Contains Lead", Length=2mm, Manufacturer Part Number=CRCW08051K00JNTA, Military Standard=Not, Number of Terminations=2, Package=0805, Packaging="Tape and Reel", Power Dissipation=125mW, Pricing 1="5000=0.03087, 10000=0.02988, 20000=0.02889, 30000=0.02790, 40000=0.02682, 50000=0.02556, 500000=0.02430 (USD)", Radiation Hardening=No, RoHS=No, RoHS Compliant=No, Series=CRCW, Stock 1=20000, Supplier 1=Avnet, Supplier Part Number 1=CRCW08051K00JNTA, Voltage Rating (DC)=150V, Weight=0.000194oz, Width=1.25mm
R190 R191 R192: "RES 680 OHM 1% 1/10W 0603", Case Code (Imperial)=0603, Case Code (Metric)=1608, Manufacturer=YAGEO, Max Operating Temperature=155°C, Max Power Dissipation=100mW, Min Operating Temperature=-55°C, Package Quantity=1, Power Rating=0.1W, Resistance=680Ω, Resistance Tolerance=1%, Resistor Type="Thick Film", Supplier Part Number 1=6789788, Temperature Coefficient=100ppm/°C, Voltage Rating=50V, Category="Chip SMD Resistors", ComponentLink1Description=https://datasheet.ciiva.com/46412/443971-46412854.pdf?src-supplier=Element14, ComponentLink1URL=https://datasheet.ciiva.com/46412/443971-46412854.pdf?src-supplier=Element14, ComponentLink2Description=https://datasheet.ciiva.com/2553/pyu-r-int-thick-7-2553546.pdf?src-supplier=Digi-Key, ComponentLink2URL=https://datasheet.ciiva.com/2553/pyu-r-int-thick-7-2553546.pdf?src-supplier=Digi-Key, ComponentLink3Description=https://datasheet.ciiva.com/2553/pyu-r-int-thick-7-2553547.pdf?src-supplier=Digi-Key, ComponentLink3URL=https://datasheet.ciiva.com/2553/pyu-r-int-thick-7-2553547.pdf?src-supplier=Digi-Key, ComponentLink4Description=https://datasheet.ciiva.com/2553/pyu-r-int-thick-7-2553545.pdf?src-supplier=Digi-Key, ComponentLink4URL=https://datasheet.ciiva.com/2553/pyu-r-int-thick-7-2553545.pdf?src-supplier=Digi-Key, ComponentLink5Description=https://datasheet.ciiva.com/7746/443971-7746389.pdf?src-supplier=Element14, ComponentLink5URL=https://datasheet.ciiva.com/7746/443971-7746389.pdf?src-supplier=Element14, Construction=Rectangular, Depth=0.8mm, Features="Moisture Resistant", Height=0.022inch, Lead Free="Lead Free", Length=1.6mm, Manufacturer Part Number=RC0603FR-07680RL, Military Standard=Not, Number of Pins=2, Number of Terminations=2, Package=0603, Packaging="Tape and Reel", Pricing 1="5000=0.00150, 50000=0.00140, 200000=0.00140, 625000=0.00130, 2000000=0.00120 (USD)", Reach SVHC Compliant=Yes, RoHS=Yes, RoHS Compliant=Yes, Series=RC, Size Code=0603, Stock 1=1640000, Supplier 1="Future Electronics", Termination=SMD/SMT, TOLERANCE=1%, Voltage Rating (DC)=50V, Width=0.8mm
R205 R207 R208: "RES 249 OHM 1% 1/4W 1206", Case Code (Imperial)=1206, Case Code (Metric)=3216, Manufacturer=YAGEO, Max Operating Temperature=155°C, Max Power Dissipation=250mW, Min Operating Temperature=-55°C, Power Rating=0.25W, Resistance=249Ω, Resistor Type="Thick Film", Supplier Part Number 1=1142064, Temperature Coefficient=100ppm/°C, TOLERANCE=1%, Voltage Rating=200V, Category="Chip SMD Resistors", ComponentLink1Description=https://datasheet.ciiva.com/16747/pyu-rc1206-51-rohs-l-4-16747103.pdf?src-supplier=Future+Electronics, ComponentLink1URL=https://datasheet.ciiva.com/16747/pyu-rc1206-51-rohs-l-4-16747103.pdf?src-supplier=Future+Electronics, Construction=Rectangular, Depth=1.6mm, Features="Moisture Resistant", Lead Free="Lead Free", Length=3.1mm, Manufacturer Part Number=RC1206FR-07249RL, Military Standard=Not, Number of Terminations=2, Package=1206, Packaging="Tape and Reel", Pricing 1="5000=0.00430, 25000=0.00410, 100000=0.00390, 250000=0.00370, 625000=0.00350 (USD)", RoHS=Yes, RoHS Compliant=Yes, Series=RC, Size Code=1206, Stock 1=560000, Supplier 1="Future Electronics", Termination=SMD/SMT, Voltage Rating (DC)=200V
R209 R215: "RES SMD 3.9K OHM 1% 1/10W 0603", Case Code (Imperial)=0603, Case Code (Metric)=1608, Manufacturer=PANASONIC, Manufacturer Part Number=ERJ-3EKF3901V, Max Operating Temperature=155°C, Max Power Dissipation=100mW, Min Operating Temperature=-55°C, Package Quantity=1, Power Rating=0.1W, Resistance=3.9kΩ, Resistance Tolerance=1%, Resistor Type="Thick Film", Supplier Part Number 1=1229307, Temperature Coefficient=100ppm/°C, Voltage Rating=75V, Category="Chip SMD Resistors", ComponentLink1Description=https://datasheet.ciiva.com/7802/426256-7802685.pdf?src-supplier=Element14, ComponentLink1URL=https://datasheet.ciiva.com/7802/426256-7802685.pdf?src-supplier=Element14, ComponentLink2Description=https://datasheet.ciiva.com/28568/1678782-28568860.pdf?src-supplier=Element14, ComponentLink2URL=https://datasheet.ciiva.com/28568/1678782-28568860.pdf?src-supplier=Element14, ComponentLink3Description=https://datasheet.ciiva.com/46419/1678782-46419999.pdf?src-supplier=Element14, ComponentLink3URL=https://datasheet.ciiva.com/46419/1678782-46419999.pdf?src-supplier=Element14, ComponentLink4Description=https://datasheet.ciiva.com/16759/70260748-16759613.pdf?src-supplier=Allied+Electronics, ComponentLink4URL=https://datasheet.ciiva.com/16759/70260748-16759613.pdf?src-supplier=Allied+Electronics, ComponentLink5Description=https://datasheet.ciiva.com/9117/aoa0000ce2-9117242.pdf?src-supplier=Avnet, ComponentLink5URL=https://datasheet.ciiva.com/9117/aoa0000ce2-9117242.pdf?src-supplier=Avnet, ComponentLink6Description=https://datasheet.ciiva.com/9196/aoa0000ce2-9196154.pdf?src-supplier=Avnet, ComponentLink6URL=https://datasheet.ciiva.com/9196/aoa0000ce2-9196154.pdf?src-supplier=Avnet, ComponentLink7Description=https://datasheet.ciiva.com/30213/aoa0000ce2-30213118.pdf?src-supplier=Onlinecomponents.com, ComponentLink7URL=https://datasheet.ciiva.com/30213/aoa0000ce2-30213118.pdf?src-supplier=Onlinecomponents.com, Construction=Rectangular, Contact Plating=Tin, Depth=0.8mm, Features="Automotive AEC-Q200", Height=0.022inch, Lead Free="Lead Free", Length=1.6mm, Military Standard=Not, Mount="Surface Mount", Number of Pins=2, Number of Terminations=2, Package=0603, Packaging="Tape and Reel", Pricing 1="5000=0.00700 (USD)", Radiation Hardening=No, Reach SVHC Compliant=Yes, RoHS=Yes, RoHS Compliant=Yes, Series=ERJ, Stock 1=1, Supplier 1=Rs, Termination=SMD/SMT, TOLERANCE=1%, Voltage Rating (DC)=75V, Width=0.8mm
R210: "RES 499 OHM 1% 1/8W 0805", Case Code (Imperial)=0805, Case Code (Metric)=2012, Manufacturer=YAGEO, Max Operating Temperature=155°C, Max Power Dissipation=0.13W, Min Operating Temperature=-55°C, Package Quantity=1, Power Rating=125mW, Resistance=499Ω, Resistor Type="Thick Film", Supplier Part Number 1=5825161, Temperature Coefficient=100ppm/°C, TOLERANCE=1%, Voltage Rating=150V, Category="Chip SMD Resistors", ComponentLink1Description=https://datasheet.ciiva.com/2457/pyu-r-int-thick-7-2457414.pdf?src-supplier=Digi-Key, ComponentLink1URL=https://datasheet.ciiva.com/2457/pyu-r-int-thick-7-2457414.pdf?src-supplier=Digi-Key, ComponentLink2Description=https://datasheet.ciiva.com/2457/pyu-r-int-thick-7-2457415.pdf?src-supplier=Digi-Key, ComponentLink2URL=https://datasheet.ciiva.com/2457/pyu-r-int-thick-7-2457415.pdf?src-supplier=Digi-Key, ComponentLink3Description=https://datasheet.ciiva.com/2457/pyu-r-int-thick-7-2457413.pdf?src-supplier=Digi-Key, ComponentLink3URL=https://datasheet.ciiva.com/2457/pyu-r-int-thick-7-2457413.pdf?src-supplier=Digi-Key, ComponentLink4Description=https://datasheet.ciiva.com/12667/rc0805-12667322.pdf?src-supplier=Mouser, ComponentLink4URL=https://datasheet.ciiva.com/12667/rc0805-12667322.pdf?src-supplier=Mouser, Construction=Rectangular, Depth=1.25mm, Features="Moisture Resistant", Height=0.024inch, Lead Free="Lead Free", Length=0.079inch, Manufacturer Part Number=RC0805FR-07499RL, Military Standard=Not, Mount="Surface Mount", Number of Terminations=2, Package=0805, Packaging="Tape and Reel", Pricing 1="5000=0.00270, 25000=0.00260, 125000=0.00240, 150000=0.00240, 500000=0.00230, 1250000=0.00210, 1500000=0.00210 (USD)", RoHS=Yes, RoHS Compliant=Yes, Series=RC, Size Code=0805, Stock 1=275000, Supplier 1="Future Electronics", Technology="THICK FILM", Termination=SMD/SMT, Voltage Rating (DC)=150V, Width=0.049inch